# Altium PCB PCB2.PcbDoc
Units mm, origin at the board's own origin, x right, y up, seen from the top; angles counter-clockwise.
Board outline 152.4 x 101.6 mm, 2 copper layers (Top Layer, Bottom Layer); 100 components, 76 nets, 372 pads, 0 vias.
Unrouted connection lines stored in the file: 207.
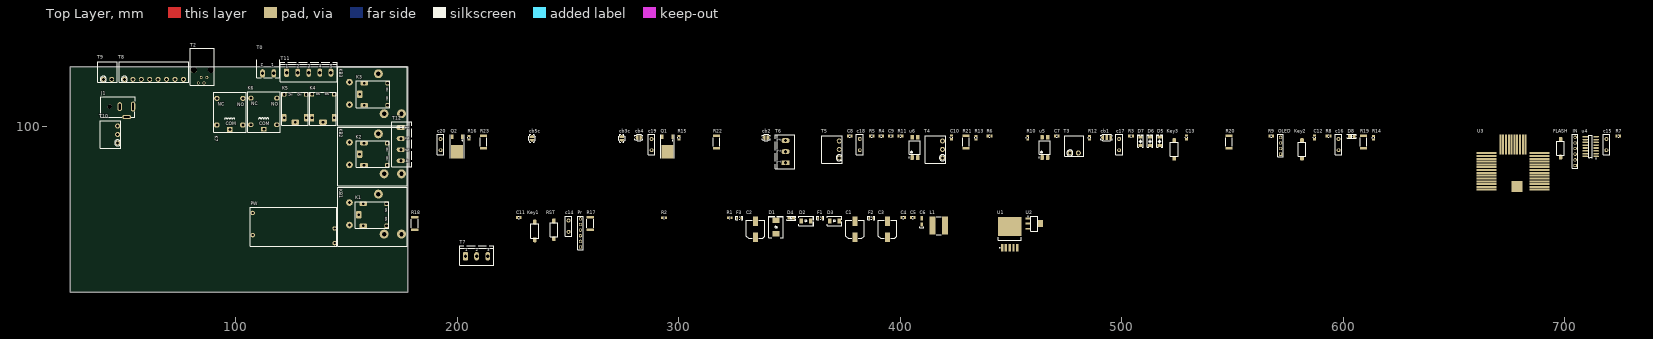
[diagram p0: Top Layer view]
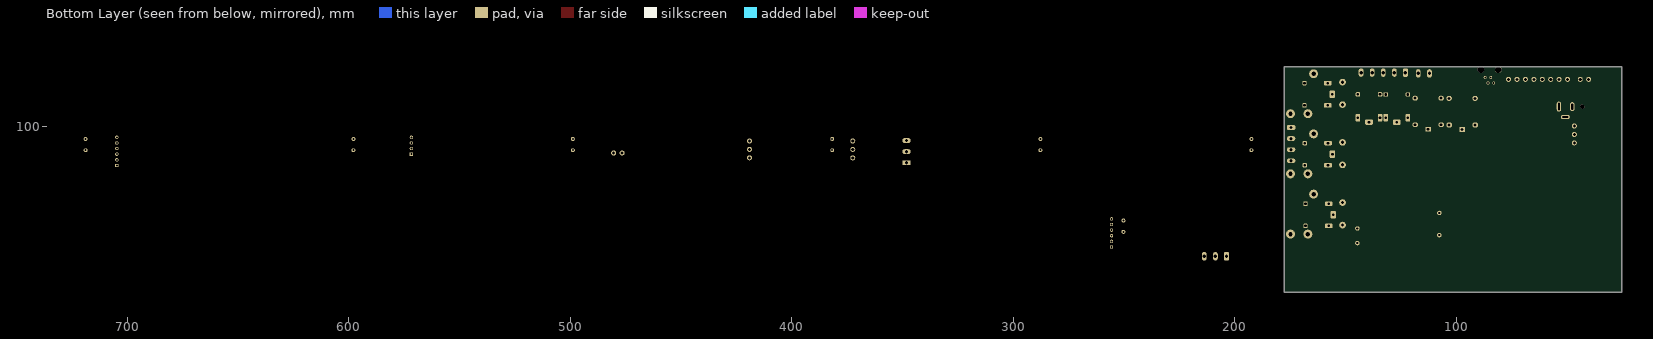
[diagram p1: Bottom Layer view, seen from below]

## Layer stack, top to bottom
Top Solder: solder mask 0.0102, Solder Resist, Dk 3.5
Top Layer: signal copper 0.0356
Dielectric 1: dielectric 0.32, FR-4, Dk 4.8
Bottom Layer: signal copper 0.0356
Bottom Solder: solder mask 0.0102, Solder Resist, Dk 3.5

## Board outline
25.4,25.4 177.8,25.4 177.8,127 25.4,127

## Design rules (kind name [scope] priority, off if disabled: settings)
Clearance [All] p1: gap=0.254 ignorepadtopadclearanceinfootprint=FALSE except(0: Arc-Hole Track-Hole SMDPad-Hole THPad-Hole Via-Hole Fill-Hole Poly-Hole Region-Hole Text-Hole)
PolygonConnect [All] p1: connectstyle=Relief reliefconductorwidth=0.254 reliefentries=4 polygonreliefangle="90 Angle" airgapwidth=0.254
RoutingVias [All] p1: holewidth=0.711 width=1.27 viastyle="Through Hole" minholewidth=0.711 minwidth=1.27 maxholewidth=0.711 maxwidth=1.27
SolderMaskExpansion [All] p1: expansion=0.102
Width [All] p1: maxlimit=0.254 minlimit=0.254 preferedwidth=0.254
30 further rules are at their usual default settings.

## Components (designator, comment, footprint, x,y, rotation, side; value= is the part's Value field where it differs from the comment)
C1 "1000uF" "CAP ALSMD POLY 8.3MM H10.5MM" 379.603,53.721 r90 top
C2 "220uF" "CAP ALSMD POLY 8.3MM H10.5MM" 334.772,53.721 r90 top
C3 "1000uF" "CAP ALSMD POLY 8.3MM H10.5MM" 394.335,53.721 r90 top
C4 "100nF" SMD_CAP_0805 400.558,59.055 r0 top
C5 "10uF" SMD_CAP_0805 404.876,59.055 r0 top
C6 "10uF-Tan" "CAPP 1206 (3216X18L) Size A" 409.702,55.88 r90 top
C7 "100nF" SMD_CAP_0805 469.9,95.885 r0 top
C8 "100nF" SMD_CAP_0805 376.428,95.885 r0 top
C9 "100nF" SMD_CAP_0805 394.97,95.885 r0 top
C10 "100nF" SMD_CAP_0805 423.164,94.361 r90 top
C11 "100nF" SMD_CAP_0805 226.949,59.055 r0 top
C12 "100nF" SMD_CAP_0805 587.121,94.361 r90 top
C13 "100nF" SMD_CAP_0805 529.336,94.361 r90 top
c14 "100nF" CAP-20 250.317,55.118 r90 top
c15 "100nF" CAP-20 718.82,91.948 r90 top
c16 "100nF" CAP-20 597.916,91.948 r90 top
c17 "100nF" CAP-20 498.856,91.948 r90 top
c18 "100nF" CAP-20 381.762,91.948 r90 top
c19 "100nF" CAP-20 287.782,91.948 r90 top
c20 "100nF" CAP-20 192.532,91.948 r90 top
cb1 "Part Number" "CoffeBean 2w" 492.252,95.123 r0 top
cb2 "Part Number" CoffeBean 339.471,95.123 r0 top
cb3c "Part Number" CoffeBean 274.32,94.742 r90 top
cb4 "Part Number" CoffeBean 282.067,95.123 r0 top
cb5c "Part Number" CoffeBean 233.807,94.742 r90 top
D1 "SS34" "DO214AB SMC" 343.916,54.737 r90 top
D2 "TVS5.0" "ST DO214AA SMB" 357.505,57.531 r0 top
D3 "TVS3.3" "ST DO214AA SMB" 370.332,57.531 r0 top
D4 "" "LED 0805_2012 RED" 350.774,58.801 r0 top
D5 "1n4148" "SOD-80 MiniMELF" 517.144,93.472 r90 top
D6 "1n4148" "SOD-80 MiniMELF" 512.826,93.472 r90 top
D7 "1n4148" "SOD-80 MiniMELF" 508.508,93.472 r90 top
D8 "" "LED 0805_2012 RED" 603.885,95.631 r0 top
F1 "Ferrite Bead SMD" FB0805 363.982,58.801 r0 top
F2 "Ferrite Bead SMD" FB0805 386.969,58.801 r0 top
F3 "Ferrite Bead SMD" FB0805 327.406,58.801 r0 top
FLASH "Switch PB" "TE FSMSMTR" 698.119,90.297 r0 top
IN "Header 6" HDR1X6 704.723,82.55 r90 top
J1 "Power Jack" "Power Jack" 39.184,109.094 r0 top
K1 "Relay" "Relay mini milon" 161.857,60.245 r90 top
K2 "Relay" "Relay mini milon" 162.179,87.63 r90 top
K3 "Relay" "Relay mini milon" 162.306,114.681 r90 top
K4 "Relay" "Relay mini milon" 139.446,108.358 r180 top
K5 "Relay" "Relay mini milon" 126.873,108.331 r180 top
K6 "Relay" "Relay milon" 112.743,105.878 r0 top
K7 "Relay" "Relay milon" 97.409,105.791 r0 top
KB1 "Relay" Relay-NT90 164.465,69.596 r270 top
KB2 "Relay" Relay-NT90 164.465,96.774 r270 top
KB3 "Relay" Relay-NT90 164.465,123.952 r270 top
Key1 "Switch PB" "TE FSMSMTR" 235.077,52.959 r0 top
Key2 "Switch PB" "TE FSMSMTR" 581.406,89.789 r0 top
Key3 "Switch PB" "TE FSMSMTR" 523.748,89.789 r0 top
L1 "33uH" "BOURNS SRN8040" 417.449,55.372 r0 top
OLED "Header 4" HDR1X4 571.754,87.63 r90 top
Pr "Header 6" HDR1X6 255.651,45.72 r90 top
PW "12V04" 12V750ma 145.696,46.087 r180 top
Q1 "MJE13003" TO-252 294.894,92.075 r0 top
Q2 "MJE13003" TO-252 200.025,92.075 r0 top
R1 "33" "RES 0805 (2012X06L)" 322.199,58.928 r0 top
R2 "10K" "RES 0805 (2012X06L)" 292.608,58.928 r0 top
R3 "?K" "RES 0805 (2012X06L)" 503.428,95.758 r0 top
R4 "?K" "RES 0805 (2012X06L)" 390.652,95.758 r0 top
R5 "?K" "RES 0805 (2012X06L)" 386.334,95.758 r0 top
R6 "?K" "RES 0805 (2012X06L)" 439.547,95.758 r0 top
R7 "10K" "RES 0805 (2012X06L)" 723.392,95.758 r0 top
R8 "10K" "RES 0805 (2012X06L)" 592.582,95.758 r0 top
R9 "10K" "RES 0805 (2012X06L)" 566.674,95.758 r0 top
R10 "1.2k" "RES 0805 (2012X06L)" 457.581,94.234 r90 top
R11 "1.2k" "RES 0805 (2012X06L)" 399.288,95.758 r0 top
R12 "10K" "RES 0805 (2012X06L)" 485.521,94.234 r90 top
R13 "10K" "RES 0805 (2012X06L)" 434.213,94.234 r90 top
R14 "33" "RES 0805 (2012X06L)" 613.664,94.234 r90 top
R15 "1k" "RES 0805 (2012X06L)" 300.228,94.234 r90 top
R16 "1k" "RES 0805 (2012X06L)" 205.359,94.234 r90 top
R17 "22" "RES 2512 (6331X07L)" 260.096,56.261 r90 top
R18 "22" "RES 2512 (6331X07L)" 180.848,56.261 r90 top
R19 "22" "RES 2512 (6331X07L)" 609.092,93.091 r90 top
R20 "22" "RES 2512 (6331X07L)" 548.386,93.091 r90 top
R21 "22" "RES 2512 (6331X07L)" 429.768,93.091 r90 top
R22 "22" "RES 2512 (6331X07L)" 317.119,93.091 r90 top
R23 "22" "RES 2512 (6331X07L)" 211.836,93.091 r90 top
RST "Switch PB" "TE FSMSMTR" 243.713,53.467 r0 top
T0 "" "MSTB 2,5/2-G-5,08" 114.681,124.079 r180 top
T2 "Rj10" RJ10 85.725,121.031 r90 top
T3 "FCI-381-2P" "FCI 06-381-2PIN" 478.536,91.44 r0 top
T4 "FCI-381-3P" "FCI 06-381-3PIN" 415.798,89.789 r90 top
T5 "FCI-381-3P" "FCI 06-381-3PIN" 369.189,89.789 r90 top
T6 "Water" "MSTBV 2,5/3-G-5" 348.234,88.773 r90 top
T7 "Water" "MSTBV 2,5/3-G-5" 208.788,41.529 r0 top
T8 "TFT" "FCI 06-381-8PIN" 63.119,124.714 r0 top
T9 "PWR" "FCI 06-381-2PIN" 42.164,124.714 r0 top
T10 "FCI-381-3P" "FCI 06-381-3PIN" 43.434,96.52 r90 top
T11 "CON_Phoenix_MSTBV_05" "MSTBV 2,5/5-G-5" 133.002,124.46 r0 top
T12 "CON_Phoenix_MSTBV_04" "MSTBV 2,5/4-G-5" 174.625,92.162 r270 top
U1 "LM2596S-ADJ" TS5B_M 449.453,51.435 r90 top
U2 "AMS1117-3.3V" SOT223-AMS1117 460.502,56.261 r0 top
U3 "ESP32-WROOM-32D" "esp32 WROOM-L" 676.656,76.835 r0 top
u4 "ULN2003A" SO16_M 711.708,91.059 r0 top
u5 "PC817" "SMT Gullwing Lead-Form" 465.328,90.678 r90 top
u6 "PC817" "SMT Gullwing Lead-Form" 406.654,90.678 r90 top

## Footprints (in the part's own frame and the unit in brackets; to place one, negate y for a bottom-side part, rotate by r counter-clockwise, add the part's x,y. Pads: shape width x height; smd on the part's side, far side on the other; paste and mask are expansions set on the pad)
12V750ma [mm]
  round 2 hole 1: +(38,-5) -(38,-15) L(1,-8) N(1,-1.4)
  silkscreen extent 0,-17.6 39,0, body extent 8.38,-16.59 33.87,-0.43, height 15.3
"BOURNS SRN8040" [mm] "Power Inductor, 2-Leads, Bourns, SRN8040-220M"
  rect 2.6x8.2 smd: 1(-2.8,0) 2(2.8,0)
  silkscreen extent -1.2,-4.07 1.2,4.08, body extent -4.08,-4.07 4.07,4.08, height 4
"CAP ALSMD POLY 8.3MM H10.5MM" [mm] "Aluminum Electrolytic Capacitor, Body 8.30x8.30x10.5mm"
  rect 4.2x2.2 smd: 1(-3.65,0) 2(3.65,0)
  silkscreen extent -4.15,-4.15 4.15,4.15, body extent -4.5,-4.15 4.5,4.15, height 10.5
CAP-20 [mil]
  round 70 hole 35.43 mask+0: 1(-100,0) 2(100,0)
  silkscreen extent -180,-60 180,60, body extent -177,-59 177,59, height 491
"CAPP 1206 (3216X18L) Size A" [mm] "Chip Capacitor, 2-Leads, Body 3.2x1.6mm, IPC High Density, chip Tantalum"
  rect 1.999x1.199 smd: 1(0,0) 2(2.8,0)
  silkscreen extent -1.38,-0.97 -0.99,0.97, body extent -0.43,-0.9 3.21,0.9, height 1.8
CoffeBean [mm] "1 kOhms RTD Platinum ±0.3% ±3850ppm/°C -50°C ~ 130°C, 2-Leads, Body 2.30x1.40mm, IPC Medium Density"
  round 1 smd: 1(-1.016,0) 2(1.016,0)
  oval 0.5x1.5 smd: 1(-1.016,0) 2(1.016,0)
  oval 0.5x2 smd: 1(-0.762,0) 2(0.762,0)
  oval 0.5x2.2 smd: 1(-0.508,0) 2(0.508,0)
  silkscreen extent -1.8,-1.52 1.8,1.4
"CoffeBean 2w" [mm] "1 kOhms RTD Platinum ±0.3% ±3850ppm/°C -50°C ~ 130°C, 2-Leads, Body 2.30x1.40mm, IPC Medium Density"
  rect 1.2x2.2 smd: 1(1.016,0)
  oval 0.5x2.2 smd: 2(2.413,0) 3(-0.508,0)
  oval 0.5x2 smd: 2(2.667,0) 3(-0.762,0)
  round 1 smd: 2(2.921,0) 3(-1.016,0)
  oval 0.5x1.5 smd: 2(2.921,0) 3(-1.016,0)
  silkscreen extent -1.8,-1.52 3.56,1.4
"DO214AB SMC" [mm] "Molded Diode, 2-Leads, Body 6.85x5.90mm, IPC Medium Density"
  rect 2.45x3.15 smd: 1(-3.1,0) 2(3.1,0)
  silkscreen extent -4.9,-3.3 4.9,3.3, body extent -3.97,-2.95 3.97,2.95, height 2.6
"esp32 WROOM-L" [mm]
  rect 9x0.9 smd: 1(12,-5.26) 2(12,-3.99) 3(12,-2.72) 4(12,-1.45) 5(12,-0.18) 6(12,1.09) 7(12,2.36) 8(12,3.63) 9(12,4.9) 10(12,6.17) 11(12,7.44) 12(12,8.71) 13(12,9.98) 14(12,11.25) 25(-12,11.25) 26(-12,9.98) 27(-12,8.71) 28(-12,7.44) 29(-12,6.17) 30(-12,4.9) 31(-12,3.63) 32(-12,2.36) 33(-12,1.09) 34(-12,-0.18) 35(-12,-1.45) 36(-12,-2.72) 37(-12,-3.99) 38(-12,-5.26)
  rect 0.9x9 smd: 15(5.715,15.25) 16(4.445,15.25) 17(3.175,15.25) 18(1.905,15.25) 19(0.635,15.25) 20(-0.635,15.25) 21(-1.905,15.25) 22(-3.175,15.25) 23(-4.445,15.25) 24(-5.715,15.25)
  rect 5x5 smd: 39(1.778,-3.81)
  body extent -9,-12.8 9,12.7, height 2.84
FB0805 [mm] "Ferrite Chip Bead SMD 0805-Design:Ali Hafizi"
  rect 0.85x1.3 smd: 1(-0.95,0) 2(0.95,0)
  silkscreen extent -1.57,-0.82 1.58,0.83, body extent -1,-0.63 1,0.62, height 0.85
"FCI 06-381-2PIN" [mm] "FCI Pluggable Terminal Block"
  round 2.25 hole 1.4: 1(-1.905,-3.302) 2(1.905,-3.302)
  silkscreen extent -4.32,-4.7 4.32,4.57, body extent -4.4,-4.7 4.4,4.5, height 7.6
"FCI 06-381-3PIN" [mm] "FCI Pluggable Terminal Block"
  round 2.25 hole 1.4: 1(-3.81,-3.302) 2(0,-3.302) 3(3.81,-3.302)
  silkscreen extent -6.22,-4.7 6.22,4.57, body extent -6.31,-4.7 6.31,4.5, height 7.6
"FCI 06-381-8PIN" [mm] "FCI Pluggable Terminal Block"
  round 2.25 hole 1.4: 1(-13.335,-3.302) 2(-9.525,-3.302) 3(-5.715,-3.302) 4(-1.905,-3.302) 5(1.905,-3.302) 6(5.715,-3.302) 7(9.525,-3.302) 8(13.335,-3.302)
  silkscreen extent -15.75,-4.7 15.75,4.57, body extent -15.83,-4.7 15.83,4.5, height 7.6
HDR1X4 [mm] "Connector; Header; 4 Position"
  rect 1.5x1.5 hole 0.9: 1(0,0)
  round 1.5 hole 0.9: 2(2.54,0) 3(5.08,0) 4(7.62,0)
  silkscreen extent -1.27,-1.27 8.89,1.27, body extent -1.27,-1.28 8.89,1.26, height 8.38
HDR1X6 [mm] "Connector; Header; 6 Position"
  rect 1.5x1.5 hole 0.9: 1(0,0)
  round 1.5 hole 0.9: 2(2.54,0) 3(5.08,0) 4(7.62,0) 5(10.16,0) 6(12.7,0)
  silkscreen extent -1.27,-1.27 13.97,1.27, body extent -1.26,-1.25 13.98,1.29, height 8.38
"LED 0805_2012 RED" [mm] "Chip Diode, 2-Leads, Body 2.00x1.25mm, IPC Medium Density"
  rect 1.2x1.2 smd: 1(-1.05,0) 2(1.05,0)
  silkscreen extent -2.03,-0.9 2.03,0.9, body extent -1,-0.62 1,0.63, height 0.9
"MSTB 2,5/2-G-5,08" [mil] "Header, Nominal current: 12 A Rated voltage (III/2): 320 V Number of positions: 2 Pitch: 5.08 mm Color: green Contact surface: Tin Assembly: Soldering DESIGNER:ABBAS BASEREH"
  oval 85x150 hole 60: 1(-100,0) 2(100,0)
  silkscreen extent -205,-240 205,80, body extent -199,-394 201,79, height 340
"MSTBV 2,5/3-G-5" [mil] "Header, Nominal current: 12 A Rated voltage (III/2): 320 V Number of positions: 3 Pitch: 5mm Color: green Contact surface: Tin Assembly: Soldering  DESIGNER:ABBAS BASEREH"
  rrect50% 85x150 hole 60: 1(-196.85,0)
  oval 85x150 hole 60: 2(0,0) 3(196.85,0)
  silkscreen extent -303,-161 303,186, body extent -295,-154 295,185, height 473
"MSTBV 2,5/4-G-5" [mil] "Header, Nominal current: 12 A Rated voltage (III/2): 320 V Number of positions: 4 Pitch: 5mm Color: green Contact surface: Tin Assembly: Soldering  DESIGNER ABBAS BASEREH"
  rrect50% 85x150 hole 60: 1(-295.28,0)
  oval 85x150 hole 60: 2(-98.43,0) 3(98.43,0) 4(295.28,0)
  silkscreen extent -402,-161 398,190, body extent -394,-153 394,186, height 472
"MSTBV 2,5/5-G-5" [mil] "Header, Nominal current: 12 A Rated voltage (III/2): 320 V Number of positions: 5 Pitch: 5mm Color: green Contact surface: Tin Assembly: Soldering  DESIGNER ABBAS BASEREH"
  rrect50% 85x150 hole 60: 1(-393.7,0)
  oval 85x150 hole 60: 2(-196.85,0) 3(0,0) 4(196.85,0) 5(393.7,0)
  silkscreen extent -504,-161 504,186, body extent -492,-154 492,185, height 472
"Power Jack" [mm] "Power Adaptor Jack"
  round 1.5 hole 1: 1(14.5,-1.25) 1(14.5,-0.8) 1(14.5,-0.4) 1(14.5,0.4) 1(14.5,0.8) 1(14.5,1.25) 2(8.5,-1) 2(8.5,1) 2(8.5,-0.5) 2(8.5,0.5) 3(10.6,-4.7) 3(11.1,-4.7) 3(12.1,-4.7) 3(12.6,-4.7)
  oval 2x4.5 hole 1: 1(14.5,0)
  oval 2x4 hole 1: 2(8.5,0)
  oval 4x2 hole 1: 3(11.6,-4.7)
  round 1.9 hole 2: MH(4,0)
  silkscreen extent 0,-4.9 15.2,4.5, body extent 0,-4.9 15.2,4.5, height 11
"Relay milon" [mm] "18.85x15.35x15.70"
  rect 2.5x2.2 hole 1.3: 1(0,-7.025)
  oval 2.5x2.2 hole 1.3: 2(-5.875,7.025) 3(5.875,7.025)
  oct 2.5x2.2 hole 1.3: 4(-5.875,-4.975) 5(5.875,-4.975)
  silkscreen extent -7.32,-8.27 7.32,9.87, body extent -7.37,-8.71 7.63,9.98, height 15.7
"Relay mini milon" [mm]
  rrect50% 3.5x2.5 hole 1.2: 1(0,6.25)
  rrect50% 2x2 hole 1.2: 2(5,-6.25) 3(-5,-6.25)
  rrect50% 2x3.5 hole 1.2: 4(5,4.25) 5(-5,4.25)
  silkscreen extent -6,-7.25 6,7.75, body extent -6.13,-7.58 6.17,8.12, height 13.71
Relay-NT90 [mm]
  round 4 hole 2: 1(0,0) 2(18.034,10.414) 3(18.034,2.54)
  round 3 hole 1.5: 4(3.81,-13.081) 5(13.97,-13.081)
  silkscreen extent -3.05,-18.41 23.5,13.08
"RES 0805 (2012X06L)" [mm] "Chip Resistor, 2-Leads, Body 2.0x1.3mm, IPC High Density _ (0.100 W)"
  rect 0.95x1.3 smd: 1(0,0) 2(1.65,0)
  silkscreen extent 0.67,-0.55 0.97,0.55, body extent -0.19,-0.63 1.84,0.64, height 0.6
"RES 2512 (6331X07L)" [mm] "Chip Resistor, 2-Leads, Body 6.3x3.1mm, IPC High Density _ (0.500 W)"
  rect 1.1x3.2 smd: 1(-2.85,0) 2(2.85,0)
  silkscreen extent -1.9,-1.5 1.9,1.5, body extent -3.18,-1.52 3.17,1.52, height 0.6
RJ10 [mil]
  round 51.5 hole 31.5: 1(50,-50) 2(-50,0) 3(50,50) 4(-50,100)
  round 118 hole 118 unplated: ""(185,-125) ""(185,185)
  silkscreen extent -91,-185 565,248
SMD_CAP_0805 [mm]
  rect 0.95x1.3 smd: 1(0,0) 2(1.65,0)
  silkscreen extent 0.67,-0.55 0.97,0.55, body extent -0.19,-0.63 1.84,0.63, height 0.65
"SMT Gullwing Lead-Form" [mm] "SOP, 4-Leads, Body 4/65x6/75mm, Pitch 2/54mm, IPC Medium Density designer:abbas basereh"
  rrect50% 2.2x1.6 smd mask+0.06: 1(-4.6,1.27) 2(-4.6,-1.27) 3(4.6,-1.27) 4(4.6,1.27)
  silkscreen extent -4.72,-2.5 3.1,2.74, body extent -5,-2.29 5,2.29, height 3.89
SO16_M [mm] "16-Pin Small Outline Integrated Circuit 1.27 mm Pitch, IPC Low Density - DESIGNER ABBAS BASEREH"
  oval 2.5x0.7 smd: 1(2.45,-4.445) 2(2.45,-3.175) 3(2.45,-1.905) 4(2.45,-0.635) 5(2.45,0.635) 6(2.45,1.905) 7(2.45,3.175) 8(2.45,4.445) 9(-2.45,4.445) 10(-2.45,3.175) 11(-2.45,1.905) 12(-2.45,0.635) 13(-2.45,-0.635) 14(-2.45,-1.905) 15(-2.45,-3.175) 16(-2.45,-4.445)
  silkscreen extent -0.8,-5.47 2.58,5, body extent -3,-4.96 3,4.96, height 1.62
"SOD-80 MiniMELF" [mm] "Molded Diode, 2-Leads, Body 3.40x1.50mm, IPC Medium Density"
  rect 1.25x2 smd: 1(-1.875,0) 2(1.875,0)
  silkscreen extent -2.8,-1.3 2.99,1.3, body extent -1.7,-0.75 1.7,0.75, height 1.5
SOT223-AMS1117 [mm] "SOT223, 4-Leads, Body 6.5x3.5mm, Pitch 2.3mm, Lead Span 7mm, IPC High Density"
  rect 2.1x0.9 smd: 1(-2.85,2.3) 2(-2.85,0) 3(-2.85,-2.3)
  rect 2.1x3.2 smd: 4(2.85,0)
  silkscreen extent -2.97,-3.35 1.5,3.42, body extent -3.49,-3.24 3.49,3.24, height 1.64
"ST DO214AA SMB" [mm] "Molded Diode, 2-Leads, Body 4.31x3.62mm, IPC Medium Density"
  rect 1.62x2.18 smd: 1(-2.11,0) 2(2.11,0)
  silkscreen extent -3.2,-2.2 3.4,2.1, body extent -2.6,-1.8 2.6,1.8, height 2.4
"TE FSMSMTR" [mm]
  rrect50% 1.6x2.19 smd: 1(0,4) 2(0,-4)
  silkscreen extent -1.78,-3.17 1.78,3.17, body extent -1.75,-4.98 1.75,4.98, height 4.42
TO-252 [mm] "D-PAK/TO-252-AA; 3 Leads (1 Cropped); Body 10.1 (inc. leads) x 6.6 mm (LxW max)"
  rect 1x2.1 smd: 1(2.285,3.375) 3(-2.285,3.375)
  rect 5.4x6.2 smd: 2(0,-3.375)
  silkscreen extent -3.09,-6.38 3.08,4.32, body extent -3.27,-5.83 3.27,4.11, height 2.39
TS5B_M [mm] "D2-PAK, 6-Leads, Body 8.6x10.2mm, Pitch 1.7mm, Lead Span 14.1mm, IPC Low Density"
  rect 3.5x1.1 smd: 1(-6.05,3.4) 2(-6.05,1.7) 3(-6.05,0) 4(-6.05,-1.7) 5(-6.05,-3.4)
  rect 8.6x10.5 smd: 6(3.5,0)
  silkscreen extent -6.17,-5.2 -1.2,5.2, body extent -2.6,-5.2 6.29,5.2, height 4.65

## Part data
C1 C2 C3 C6: library part "Cap Polar", "Cap Polar"
C4 C5 C7 C8 C9 C10 C11 C12 C13 c14 c15 c16 c17 c18 c19 c20: library part Cap-Bipolar, "Bipolar Capacitor", Voltage=100V, Adding Date=1387/12/20, Designer="Saeid Jorablo", Organazation=ControTec
cb1: library part "Coffe Bean 2", "Coffe Bean 2w"
cb2 cb3c cb4 cb5c: library part "Coffe Bean", "Coffe Bean"
D1 D5 D6 D7: library part Diode, "Rectifier Diode"
D2 D3: library part "Diode TVS", "Zener Diode"
D4 D8: library part LED, "Chip LED"
F1 F2 F3: library part "Ferrite Bead SMD Package", Designer="Ali Hafizi"
FLASH Key1 Key2 Key3 RST: "Push Button Switch"
IN Pr: "Header, 6-Pin", LatestRevisionDate=17-Jul-2002, LatestRevisionNote="Re-released for DXP Platform.", Publisher="Altium Limited"
K1 K2 K3 K4 K5 K6 K7 KB1 KB2 KB3: "SPDT Relay", Company=E.P.I.L, Design_Date=2011/10/31, Designer="Eng. Saeid Jorablo"
L1: library part "Inductor smd", "SMD Power Inductor WE-LHMI, L=6.8 µH", Inductance="6.8 µH", PartNumber=74437324068, ComponentLink1Description="Manufacturer URL", ComponentLink1URL=http://www.we-online.com, ComponentLink2Description=Datasheet, ComponentLink2URL=http://katalog.we-online.de/kataloge/eisos/media/pdf/74437324068.pdf, PackageReference="WE-LHMI 4020"
OLED: "Header, 4-Pin", LatestRevisionDate=17-Jul-2002, LatestRevisionNote="Re-released for DXP Platform.", Publisher="Altium Limited"
PW: "x.x Volt, 800mA Low-Dropout Linear Regulator, 4-pin SOT-223", Manufacturer="National Semiconductor", PackageTopMarking=XYTT*N05B, PartNumber=LM1117IMP-3.3, PowerWise=N, Supplier Part Number 1=7614123, Code_IPC=SOT223-4, Code_JEDEC=TO-261-AA, ComponentLink1Description="LM1117 Datasheet", ComponentLink1URL=http://www.national.com/ds/LM/LM1117.pdf, ComponentLink2Description="LM1117 Web Page", ComponentLink2URL=http://www.national.com/pf/LM/LM1117.html, ComponentLink3Description="MP04A Package Page", ComponentLink3URL=http://www.national.com/packaging/folders/mp04a.html, CompType="LDO IC", DatasheetVersion=Apr-2006, PackageDescription="Molded SOT-223, 6.50 x 3.56 x 1.6mm Body, 4 Lead, 2.3mm Pitch", PackageReference=MP04A, PackageVersion="revB, Apr-2003", PinCount=4, Published=4-Dec-2008, Publisher="Altium Limited", RoHS=N, Supplier 1=Farnell
Q1 Q2: library part NPN, "NPN Transistor", Company="IPA CO", Designer="Saeid Jorablo", Last Update Time=2008/08/04
R1 R2 R3 R4 R5 R6 R7 R8 R9 R10 R11 R12 R13 R14 R15 R16 R17 R18 R19 R20 R21 R22 R23: library part Resistor, "Resistor"
T0: library part CON_Phoenix_MSTB_02, "2 Pitch: 5.08 mm Color: green Contact surface: Tin Assembly", Manufacturer="PHOENIX CONTACT", Max Current="12 A", Voltage="320 V", Category=Connector, ComponentLink1Description="Header, Nominal current: 12 A Rated voltage (III/2): 320 V Number of positions: 2 Pitch: 5.08 mm Color: green Contact surface: Tin Assembly: Soldering  DESIGNER:ABBAS BASEREH", ComponentLink2Description=Reference, Connector type="PCB Terminal Block", Designer="ABBAS BASEREH", Mounting Technology=Through-Hole, PART.NO=PHOENIX, Pin Count=2, Positions=2, Revision 1=2017-3-1, Status=Unreleased
T2: "6 Position 1 Port Right Angle RJ11 Low Profile Filtered EMI/RFI Modular Jack", Package=None, Availability=Unavailable, MF="TE Connectivity", MP=RJ11-6N-B, Price=None, SnapEDA_Link=https://www.snapeda.com/parts/RJ11-6N-B/TE%20Connectivity%20Corcom%20Filters/view-part/2771781/?ref=snap, TE_purchase_URL=https://www.te.com/usa-en/product-6609212-4.html?te_bu=Cor&te_type=disp&te_campaign=seda_glo_cor-seda-global-disp-prtnr-fy19-seda-model-bom-cta_sma-317_1&elqCampaignId=32493
T3 T4 T5 T10: "6 Pitch: 5.08 mm Color: green Contact surface: Tin Assembly", Manufacturer="PHOENIX CONTACT", Max Current="12 A", Voltage="320 V", Category=Connector, ComponentLink1Description="Header, Nominal current: 12 A Rated voltage (III/2): 320 V Number of positions: 6 Pitch: 5.08 mm Color: green Contact surface: Tin Assembly: Soldering  DESIGNER:ABBAS BASEREH", ComponentLink2Description=Reference, Connector type="PCB Terminal Block", Designer="ABBAS BASEREH", Mounting Technology=Through-Hole, PART.NO=PHOENIX, Pin Count=6, Positions=6, Revision 1=2017-3-1, Status=Unreleased
T6 T7: library part FCI-381-3P, "6 Pitch: 5.08 mm Color: green Contact surface: Tin Assembly", Manufacturer="PHOENIX CONTACT", Max Current="12 A", Voltage="320 V", Category=Connector, ComponentLink1Description="Header, Nominal current: 12 A Rated voltage (III/2): 320 V Number of positions: 6 Pitch: 5.08 mm Color: green Contact surface: Tin Assembly: Soldering  DESIGNER:ABBAS BASEREH", ComponentLink2Description=Reference, Connector type="PCB Terminal Block", Designer="ABBAS BASEREH", Mounting Technology=Through-Hole, PART.NO=PHOENIX, Pin Count=6, Positions=6, Revision 1=2017-3-1, Status=Unreleased
T8: library part FCI-381-8P, "6 Pitch: 5.08 mm Color: green Contact surface: Tin Assembly", Manufacturer="PHOENIX CONTACT", Max Current="12 A", Voltage="320 V", Category=Connector, ComponentLink1Description="Header, Nominal current: 12 A Rated voltage (III/2): 320 V Number of positions: 6 Pitch: 5.08 mm Color: green Contact surface: Tin Assembly: Soldering  DESIGNER:ABBAS BASEREH", ComponentLink2Description=Reference, Connector type="PCB Terminal Block", Designer="ABBAS BASEREH", Mounting Technology=Through-Hole, PART.NO=PHOENIX, Pin Count=6, Positions=6, Revision 1=2017-3-1, Status=Unreleased
T9: library part FCI-381-2P, "6 Pitch: 5.08 mm Color: green Contact surface: Tin Assembly", Manufacturer="PHOENIX CONTACT", Max Current="12 A", Voltage="320 V", Category=Connector, ComponentLink1Description="Header, Nominal current: 12 A Rated voltage (III/2): 320 V Number of positions: 6 Pitch: 5.08 mm Color: green Contact surface: Tin Assembly: Soldering  DESIGNER:ABBAS BASEREH", ComponentLink2Description=Reference, Connector type="PCB Terminal Block", Designer="ABBAS BASEREH", Mounting Technology=Through-Hole, PART.NO=PHOENIX, Pin Count=6, Positions=6, Revision 1=2017-3-1, Status=Unreleased
T11: "5 Pitch: 5 mm Color: green Contact surface: Tin Assembly", Manufacturer="PHOENIX CONTACT", Max Current="12 A", Voltage="320 V", Category=Connector, ComponentLink1Description="Header, Nominal current: 12 A Rated voltage (III/2): 320 V Number of positions: 5 Pitch: 5 mm Color: green Contact surface: Tin Assembly: Soldering  DESIGNER:ABBAS BASEREH", ComponentLink2Description=Reference, Connector type="PCB Terminal Block", Designer="ABBAS BASEREH", Mounting Technology=Through-Hole, PART.NO=PHOENIX, Pin Count=5, Positions=5, Revision 1=2017-3-1, Status=Unreleased
T12: "4 Pitch: 5 mm Color: green Contact surface: Tin Assembly", Manufacturer="PHOENIX CONTACT", Max Current="12 A", Voltage="320 V", Category=Connector, ComponentLink1Description="Header, Nominal current: 12 A Rated voltage (III/2): 320 V Number of positions: 4 Pitch: 5 mm Color: green Contact surface: Tin Assembly: Soldering  DESIGNER:ABBAS BASEREH", ComponentLink2Description=Reference, Connector type="PCB Terminal Block", Designer="ABBAS BASEREH", Mounting Technology=Through-Hole, PART.NO=PHOENIX, Pin Count=4, Positions=4, Revision 1=2017-3-1, Status=Unreleased
U1: "SIMPLE SWITCHER® Power Converter 150 KHz 3A Step-Down Voltage Regulator, 5-pin TO-263", Manufacturer="National Semiconductor", PackageTopMarking="NSUZXYTTE#*LM2596S*-ADJ P+", PowerWise=N, Code_JEDEC=MO-169-AB, ComponentLink1Description="Manufacturer URL", ComponentLink1URL=http://www.national.com/, ComponentLink2Description="LM2596 Datasheet", ComponentLink2URL=http://www.national.com/ds/LM/LM2596.pdf, ComponentLink3Description="LM2596 Web Page", ComponentLink3URL=http://www.national.com/pf/LM/LM2596.html, ComponentLink4Description="TS5B Package Page", ComponentLink4URL=http://www.national.com/packaging/folders/ts5b.html, CompType=Switcher, DatasheetVersion=May-2002, High-Reliability=Y, PackageDescription="TO-263, Molded, .400 x .390 x .180in, 5 Lead, .067in Pitch, Surface Mount", PackageReference=TS5B, PackageVersion="revD, Apr-2005", PartNumber=LM2596S-ADJ, PinCount=5, RoHS=N
U2: library part AMS1117IMP-x.x_1, "x.x Volt, 800mA Low-Dropout Linear Regulator, 4-pin SOT-223", Manufacturer="National Semiconductor", PackageTopMarking=XYTT*N05B, PartNumber=LM1117IMP-3.3, PowerWise=N, Supplier Part Number 1=7614123, Code_IPC=SOT223-4, Code_JEDEC=TO-261-AA, ComponentLink1Description="LM1117 Datasheet", ComponentLink1URL=http://www.national.com/ds/LM/LM1117.pdf, ComponentLink2Description="LM1117 Web Page", ComponentLink2URL=http://www.national.com/pf/LM/LM1117.html, ComponentLink3Description="MP04A Package Page", ComponentLink3URL=http://www.national.com/packaging/folders/mp04a.html, CompType="LDO IC", DatasheetVersion=Apr-2006, PackageDescription="Molded SOT-223, 6.50 x 3.56 x 1.6mm Body, 4 Lead, 2.3mm Pitch", PackageReference=MP04A, PackageVersion="revB, Apr-2003", PinCount=4, Published=4-Dec-2008, Publisher="Altium Limited", RoHS=N, Supplier 1=Farnell
U3: "IC: SoC; GPIO, I2C, I2S, IR, SD, SDIO, SPI, UART; 2.7÷3.6VDC; 20dBm", Package="Module Espressif Systems", Availability=Unavailable, MF="Espressif Systems", MP=ESP32-WROOM-32D, Price=None, SnapEDA_Link=https://www.snapeda.com/parts/ESP32-WROOM-32D/Espressif%20Systems/view-part/?ref=snap
u4: "SEVEN DARLINGTON ARRAYS", ComponentLink1Description=Datasheet, ComponentLink2URL=http://www.st.com, DatasheetVersion="STMicroelectronics GROUP OF COMPANIES", PackageDescription="16-Pin Small Outline Integrated Circuit 1.27 mm Pitch, IPC High Density", PackageReference=SO16_N, PackageVersion=2017-3-2, Published=2017-3-2, Publisher="Abbas Basereh", Supplier 1=Digi-Key, Supplier 2=Mouser, Supplier Part Number 1=ULN2003A, Supplier Part Number 2=ULN2003A
u5 u6: library part Optoisolator
J1: Adding Date=10/21/2009, Company=Personal, Designer="Saeid Jorablo", Project Name=Laser

## Nets (pads, with @x,y where several pads share a name; then routed paths per layer and width w, separated by ;. In a path a pad name is that pad's centre, name@x,y a point inside that pad or via, vN(x,y) a via of type N, cw(c..) or ccw(c..) an arc to the next point about the centre after c; other vN are vias at no path point)
+5: C2.1 D2.2 L1.2 T2.1 T6.3 T10.1 U1.4 U2.3
+12: F1.2 J1.1 K1.5 K2.5 K3.5 K4.5 K5.5 K6.5 K7.5 KB1.5 KB2.5 KB3.5 PW.+ R10.2 R11.2 T7.3 u4.9
A-VCC: F2.2 U2.2 U2.4
adc1: C9.1 R4.1 T2.4 T4.2 U3.4
adc2: C8.2 R5.1 T4.1 U3.7
AGND: J1.2 J1.3
aref: C10.1 cb1.2 R6.1 T4.3 U3.9
cb2: cb2.2 cb3c.1 K7.1 R23.1
com: cb2.1 K1.1 K2.1 K3.1 K4.1 K5.1 K6.1 PW.L R17.1 R18.1 R19.1 R20.1 R21.1 R22.1 T0.2
dht: T2.3 U3.8
GND: C3.2 C4.1 C5.1 C6.2 C7.1 C8.1 C9.2 C10.2 C11.2 C12.1 C13.1 D3.1 F3.1 FLASH.2 Key1.1 Key2.2 Key3.2 OLED.4 Pr.1 Q1.3 Q2.3 R1.2 R14.2 RST.1 T2.2 T3.1 T9.1 T10.2 U3.1 U3.15 U3.38 U3.39 u5.3 u6.3
GND-A: C1.2 C2.2 D1.1 D2.1 F3.2 PW.- T5.3 U1.3 U1.5 U1.6 U2.1 u4.8
HL: R13.1 u6.4
K4: R15.1
K6: R16.1
KO1: K1.4 KB1.4
KO2: K2.4 KB2.4
KO3: K3.4 KB3.4
KO4: K7.4
KO5: K6.4
KO6: K5.4
KO7: K4.4
LL: R12.1 u5.4
MISO: OLED.2 T8.5 U3.14
MOSI: C12.2 Key2.1 R8.2 T8.2 U3.16
N: PW.N T0.1 T11.5 T12.4
NetC1_1: C1.1 F1.1 U1.1
Netc14_1: c14.1 R17.2
Netc15_1: c15.1 R18.2
Netc16_1: c16.1 R19.2
Netc17_1: c17.1 R20.2
Netc18_1: c18.1 R21.2
Netc19_1: c19.1 R22.2
Netc20_1: c20.1 R23.2
Netcb4_1: cb4.1 cb5c.2 T11.2
Netcb5c_1: cb5c.1 K7.2
NetD1_2: D1.2 L1.1 U1.2
NetD4_2: D4.2 R1.1
NetD7_2: D7.2 R3.1
NetD8_1: D8.1 U3.24
NetD8_2: D8.2 R14.1
NetIN_1: IN.1 u4.6
NetIN_2: IN.2 u4.5
NetIN_3: IN.3 u4.4
NetIN_4: IN.4 u4.3
NetIN_5: IN.5 u4.2
NetIN_6: IN.6 u4.1
NetQ1_1: Q1.1 R15.2
NetQ1_2: Q1.2 T6.2
NetQ2_1: Q2.1 R16.2
NetQ2_2: Q2.2 T7.2
NetR2_1: R2.1 RST.2 U3.3
NetR10_1: R10.1 u5.1
NetR11_1: R11.1 u6.1
NetT5_1: T5.1 u6.2
NetT5_2: T5.2 u5.2
No1: c14.2 K1.3 T12.3
No2: c15.2 K2.3 T12.2
No3: c16.2 K3.3 T12.1
No4: c17.2 K4.3 T11.4
No5: c18.2 K5.3 T11.3
No6: c19.2 cb3c.2 cb4.2 K6.3
No7: c20.2 K7.3 T11.1
NTC: C7.2 R3.2 T3.2 U3.6
ref: cb1.1 D5.1 R4.2 R5.2 R6.2
RX0: Pr.4 U3.34
RX2: Pr.6 U3.27
SPI-CLK: OLED.1 T8.1 U3.13
SPI-CS: C13.2 Key3.1 R9.2 T8.6 U3.23
TFT-CS2: T8.7 U3.29
TFT-DC: T8.4 U3.26
TFT-PEN: C11.1 Key1.2 R7.2 T8.8 U3.5
TFT-RST: FLASH.1 T8.3 U3.25
TX0: Pr.3 U3.35
TX2: Pr.5 U3.28
VCC: C3.1 C4.2 C5.2 C6.1 cb1.3 D3.2 D4.1 F2.1 OLED.3 Pr.2 R2.2 R7.1 R8.1 R9.1 R12.2 R13.2 T6.1 T7.1 T9.2 T10.3 U3.2
pads on no net: D5.2 D6.1 D6.2 D7.1 J1.MH K1.2 K2.2 K3.2 K4.2 K5.2 K6.2 KB1.1 KB1.2 KB1.3 KB2.1 KB2.2 KB2.3 KB3.1 KB3.2 KB3.3 T2. U3.10 U3.11 U3.12 U3.17 U3.18 U3.19 U3.20 U3.21 U3.22 U3.30 U3.31 U3.32 U3.33 U3.36 U3.37 u4.7 u4.10 u4.11 u4.12 u4.13 u4.14 u4.15 u4.16

## Text inside footprints (layer, text, board x,y; h text height)
K1: Top Overlay "NC" at 168.537,61.439 h1 r90; Top Overlay "NO" at 168.537,57.349 h1 r90
K2: Top Overlay "NC" at 168.859,88.824 h1 r90; Top Overlay "NO" at 168.859,84.734 h1 r90
K3: Top Overlay "NC" at 168.986,115.875 h1 r90; Top Overlay "NO" at 168.986,111.785 h1 r90
K4: Top Overlay "NC" at 138.252,115.038 h1 r180; Top Overlay "NO" at 142.342,115.038 h1 r180
K5: Top Overlay "NC" at 125.679,115.011 h1 r180; Top Overlay "NO" at 129.769,115.011 h1 r180
K6: Top Overlay "NC" at 107.155,109.612 h1.5; Top Overlay "NO" at 115.994,109.434 h1.5; Top Overlay "COM" at 110.762,100.696 h1.5
K7: Top Overlay "NC" at 91.821,109.525 h1.5; Top Overlay "NO" at 100.66,109.347 h1.5; Top Overlay "COM" at 95.428,100.609 h1.5
T0: Top Overlay "2" at 112.427,128.714 h1.27 r180; Top Overlay "1" at 117.253,128.714 h1.27 r180
T6: Top Overlay "1" at 346.069,83.561 h1.27 r90; Top Overlay "2" at 346.069,88.387 h1.27 r90; Top Overlay "3" at 346.069,93.467 h1.27 r90
T7: Top Overlay "1" at 203.576,43.694 h1.27; Top Overlay "2" at 208.402,43.694 h1.27; Top Overlay "3" at 213.482,43.694 h1.27
T11: Top Overlay "1" at 122.688,126.65 h1.27; Top Overlay "2" at 127.514,126.65 h1.27; Top Overlay "3" at 132.594,126.65 h1.27; Top Overlay "4" at 137.674,126.65 h1.27; Top Overlay "5" at 142.754,126.65 h1.27
T12: Top Overlay "1" at 176.79,100.014 h1.27 r270; Top Overlay "2" at 176.79,95.188 h1.27 r270; Top Overlay "3" at 176.79,90.108 h1.27 r270; Top Overlay "4" at 176.79,85.028 h1.27 r270